# Altium PCB communicationboard.PcbDoc (continued)
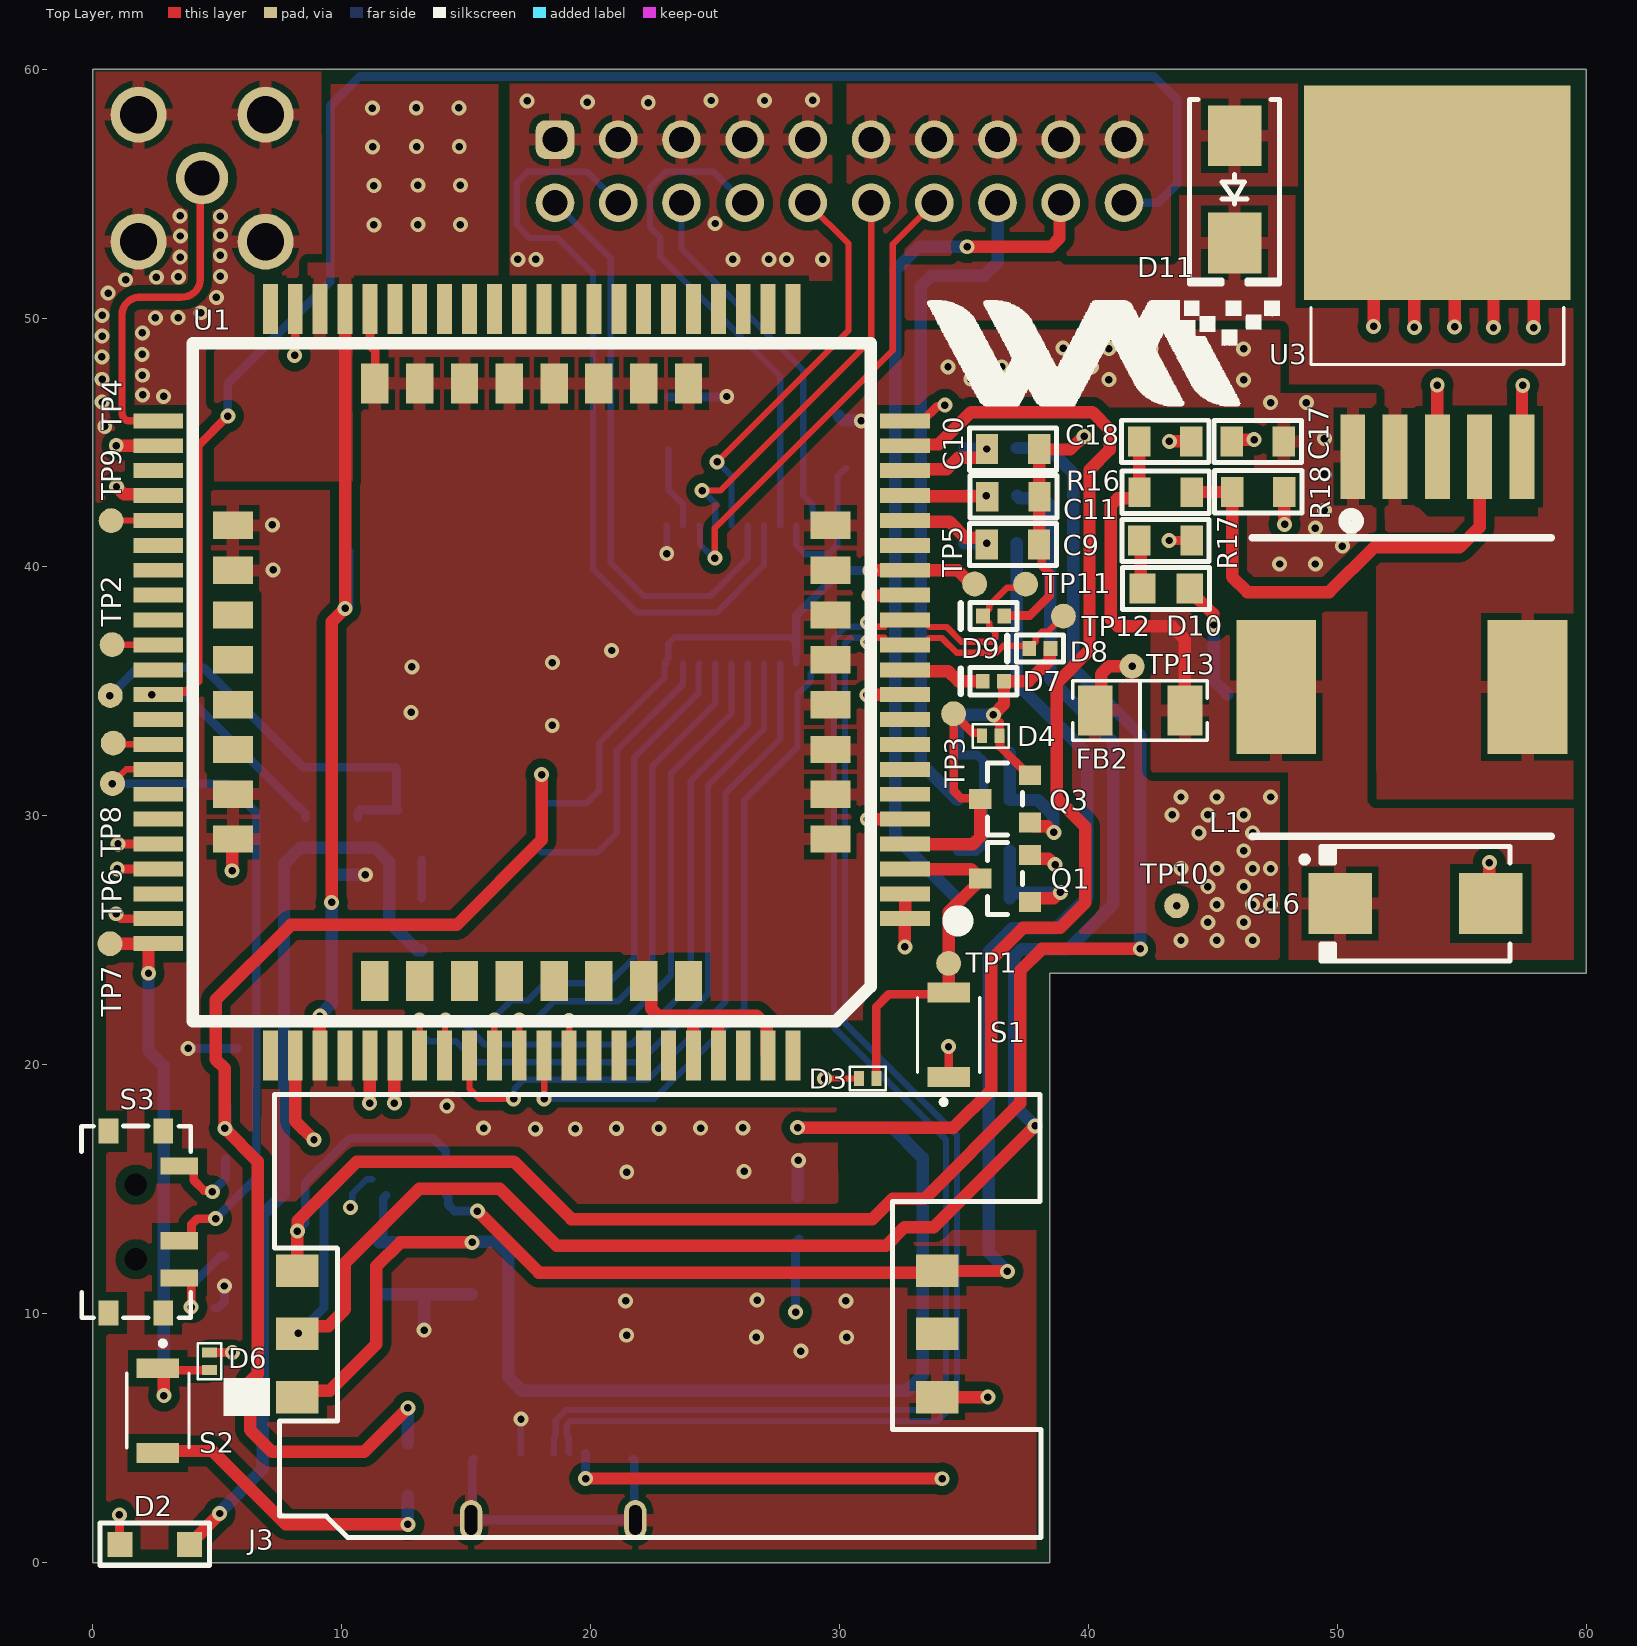
[diagram p0: Top Layer view]
## Nets (pads, with @x,y where several pads share a name; then routed paths per layer and width w, separated by ;. In a path a pad name is that pad's centre, name@x,y a point inside that pad or via, vN(x,y) a via of type N, cw(c..) or ccw(c..) an arc to the next point about the centre after c; other vN are vias at no path point) (continued)
  Bottom Layer w0.254: v1(10.355,14.27) 10.421,14.336 10.421,14.816 11.008,15.403 11.235,15.403 ; J1.5 17.2,5.765 v1(17.205,5.77) ; v1(23.06,40.54) 23.065,40.545 U2.11
  Bottom Layer w0.35: v1(3.835,20.66) 3.84,20.655 5.8,20.655 D5.1 ; R11.1@4.91,10.245 5.042,10.245 5.292,10.495 v1(5.292,11.114) ; J1.S@15.3,4.165 15.25,4.115 15.25,1.765 15.2,1.715 17.3,1.715 19.7,1.715 21.8,1.715 21.75,1.765 21.75,4.115 J1.S@21.7,4.165 ; R4.1 25.45,46.83 v1(25.47,46.85) ; R3.2 34.76,28.57 35.49,28.57 35.79,28.87 35.79,32.195 35.535,32.45 34.84,32.45 R9.2
  Bottom Layer w0.5: C8.1 9.597,27.632 10.948,27.632 v1(10.95,27.635) ; C12.1 C13.1 ; v1(13.31,9.34) 13.32,9.35 13.32,10.77 C13.1 ; C14.1 C13.1 ; C5.1 30.146,45.889 30.856,45.889 v1(30.875,45.87) ; R9.2 34.745,33.709 35.097,34.061 v1(36.184,34.061) ; v1(45.035,37.67) 45.035,35.445 C15.2
  other v1: 28.45,8.495 30.285,9.055 26.66,9.06 21.445,9.135 21.405,10.52 30.26,10.52 26.695,10.545 43.545,26.39 18.46,33.64 12.79,34.16 12.82,35.985 18.47,36.155 20.845,36.645 7.245,39.885 7.22,41.695 0.483,45.649 0.379,46.622 2.844,46.851 2.008,46.914 0.377,47.542 1.992,47.702 0.371,48.437 1.987,48.543 0.377,49.278 1.998,49.405 2.515,50.006 3.429,50.016 0.377,50.107 4.344,50.213 4.967,50.83 0.618,50.999 1.32,51.54 2.557,51.641 3.44,51.658 5.126,51.671 3.512,52.446 5.123,52.518 3.518,53.298 5.126,53.327 5.126,54.083 3.512,54.104
LTE_PWR: J4.18 R1.2 | length 34.8
  Top Layer w0.5: v1(35.125,52.865) 38.49,52.865 38.84,53.215 38.84,54.58 J4.18
  Bottom Layer w0.5: R1.2@34.705,26.695 32.245,29.155 32.245,51.93 33.18,52.865 35.088,52.865 v1(35.125,52.865)
LTE_RESET: J4.16 R8.2 | length 27.1
  Bottom Layer w0.5: R8.2 33.26,32.125 33.26,51.265 33.695,51.7 35.815,51.7 36.35,52.235 J4.16
MAIN_ANT: J2.1 U1.82 | length 13.6
  Top Layer w0.293: U1.82 U1.82 1.465,45.87 cw(c1.465,46.14) 1.274,45.949 cw(c1.508,46.183) 1.177,46.183 1.177,50.131 cw(c1.882,50.131) 1.818,50.833 3.549,50.833 ccw(c3.549,51.639) 4.119,51.069 ccw(c3.636,51.552) 4.319,51.552 4.319,55.445 cw(c4.568,55.445) J2.1
NetC1_2: C1.2 C2.1 C3.1 C6.1 C7.1 C8.2 FB1.1 U1.38 U1.39 U1.62 U1.63 | length 34.2
  Top Layer w0.5: v1(9.125,21.96) 9.125,20.38 U1.62 ; v1(9.6,26.53) 9.6,37.799 v1(10.141,38.34) 10.138,38.343 10.138,50.367 U1.38
  Bottom Layer w0.5: v1(9.125,21.96) 9.125,21.987 9.595,22.457 C8.2 9.598,25.533 9.598,26.528 v1(9.6,26.53) ; v1(10.141,38.34) 10.141,38.367 10.235,38.461 C6.1 ; FB1.1 28.326,14.721 28.326,16.146 v1(28.345,16.165)
  other v1: 21.453,15.693 26.17,15.72 17.78,17.43 19.385,17.43 15.705,17.46 21.04,17.445 22.745,17.445 24.42,17.46 26.12,17.465 14.23,18.345 11.295,53.745 13.06,53.755 14.773,53.756 11.295,55.325 13.06,55.335 14.773,55.336 11.247,56.879 13.012,56.889 14.725,56.89 11.233,58.431 12.998,58.441 14.711,58.442
NetC16_1: C16.1 C18.2 FB2.1 L1.2 R16.2 | length 14.2
  Top Layer w0.5: C18.2 42.045,45.035 42.045,42.951 41.855,42.761 41.188,42.761 40.895,42.469 40.895,37.908 41.188,37.615 43.348,37.615 43.875,37.088 FB2.1
NetD2_2: D2.2 R2.1 | length 37.8
  Top Layer w0.5: D2.2 5.079,1.927 5.079,1.956 v1(5.098,1.975)
  Bottom Layer w0.5: v1@5.048,1.975 6.825,3.752 6.825,13.965 7.685,14.825 7.685,28.07 8.335,28.72 11.335,28.72 11.92,28.135 11.92,25.72 13.045,24.595 R2.1
NetD10_1: D10.1 R17.1 | length 2
  Top Layer w0.5: R17.1 42.11,41.005 42.11,39.195 D10.1
NetD11_2: D11.2 L1.1 U3.2
NETLIGHT: J4.20 R6.2 U1.51 | length 76.7
  Top Layer w0.35: U1.51 2.505,34.87 v1(2.38,34.87) 2.505,34.995 3.802,34.995 4.229,35.422 4.229,44.862 v2(5.43,46.064)
  Bottom Layer w0.35: v1(2.38,34.87) 3.72,34.87 8.228,30.362 8.272,30.362 8.547,30.087 R6.2 ; v2(5.43,46.064) 5.43,47.356 9.547,51.473 9.547,58.525 10.729,59.707 42.629,59.707 43.568,58.768 43.568,55.4 42.798,54.63 J4.20
NetQ1_1: Q1.1 R1.1 R3.1 | length 5.4
  Top Layer w0.5: Q1.1 37.805,26.685 38.606,26.685 38.851,26.93 v1(38.878,26.93)
  Bottom Layer w0.5: R3.1 36.835,28.595 36.835,26.7 R1.1 37.03,26.885 37.03,26.901 37.04,26.911 38.859,26.911 v1(38.878,26.93)
NetQ2_1: Q2.1 R6.1 R7.1 TP2.1 | length 17.2
  Top Layer w0.35: v1(0.69,34.83) 0.695,34.83 TP2.1
  Bottom Layer w0.35: v1(0.69,34.83) 1.81,35.95 4.46,35.95 8.455,31.955 R7.1 12.205,31.895 12.205,30.295 Q2.1 10.735,30.235 10.647,30.147 R6.1
NetQ2_3: Q2.3 R2.2 | length 1.5
  Bottom Layer w0.35: R2.2 13.215,26.715 Q2.3
NetQ3_1: Q3.1 R8.1 R9.1 | length 5.7
  Top Layer w0.5: Q3.1 37.805,29.585 38.342,29.585 38.589,29.338 v1(38.616,29.338)
  Bottom Layer w0.5: R9.1 R8.1 37.98,30.64 38.597,30.023 38.597,29.357 v1(38.616,29.338)
NetR4_2: R4.2 U2.12 | length 3.3
  Bottom Layer w0.254: R4.2 23.13,43.105 23.715,42.52 U2.12
NetR5_2: R5.2 U2.9 | length 11.3
  Bottom Layer w0.254: R5.2 20.29,28.545 21.055,29.31 21.055,32.64 23.715,35.3 U2.9
NetR10_1: R10.1 S3.1 | length 3.5
  Top Layer w0.35: S3.1 3.878,15.935 4.053,15.76 4.053,15.364 4.469,14.948 4.755,14.948 v2(4.803,14.9)
  Bottom Layer w0.35: v2(4.803,14.9) 5.33,15.427 R10.1
NetR11_2: R11.2 S3.3 | length 4.2
  Top Layer w0.35: S3.3 3.778,11.435 3.953,11.26 v2(3.953,10.268)
  Bottom Layer w0.35: v2(3.953,10.268) 3.953,11.133 5.14,12.32 R11.2
NetR12_1: R12.1 S2.2 | length 12.4
  Top Layer w0.5: S2.2@2.615,4.485 4.812,4.485 7.758,1.539 v1(12.66,1.539)
  Bottom Layer w0.5: v1(12.66,1.539) R12.1
NetR16_1: R16.1 R18.2 U3.4 | length 19.2
  Top Layer w0.5: R16.1 44.162,43.012 45.768,43.012 R18.2 45.775,39.605 46.39,38.99 49.675,38.99 51.475,40.79 54.905,40.79 55.72,41.605 U3.4
STATUS: TP9.1 U1.49 | length 1.9
  Top Layer w0.254: TP9.1 0.785,36.875 2.63,36.875 U1.49
USB_BOOT: D6.2 S2.1 TP7.1 U1.85 | length 23.1
  Top Layer w0.35: S2.1@2.867,7.735 D6.2@4.58,7.735
  Top Layer w0.5: TP7.1 0.697,24.867 U1.85@2.288,24.867 ; v1(2.24,23.68) 2.24,24.82 U1.85@2.288,24.867 ; U1.85 2.632,24.867 U1.85@2.288,24.867 ; v2(2.856,6.711) 2.856,7.724 S2.1@2.867,7.735
  Bottom Layer w0.5: v1(2.24,23.68) 2.24,20.565 2.848,19.957 2.848,6.719 v2(2.856,6.711)
USB_VBUS: D7.1 U1.11 | length 3.3
  Top Layer w0.5: U1.11 32.685,35.82 34.365,35.82 34.775,35.41 D7.1
USBD_N: D8.1 J1.2 TP12.1 U1.12 | length 60
  Top Layer w0.254: v1(31.125,36.987) 31.125,37.16 31.806,37.16 31.806,37.043 31.979,36.87 U1.12 33.335,36.87 33.613,37.148 34.116,37.148 34.711,36.553 36.3,36.553 36.579,36.832 37.518,36.832 D8.1 37.625,36.75 37.883,37.008 37.883,37.156 38.128,37.402 38.372,37.402 TP12.1
  Bottom Layer w0.254: J1.2 19.122,4.418 19.122,5.065 19.047,5.14 19.047,5.531 19.207,5.691 33.924,5.691 34.723,6.49 34.723,17.171 30.223,21.671 30.223,36.939 30.444,37.16 30.859,37.16 31.031,36.987 v1(31.125,36.987)
USBD_P: D9.1 J1.3 TP11.1 U1.13 | length 60.7
  Top Layer w0.254: v1(31.125,37.777) 31.125,37.604 31.806,37.604 31.806,37.697 31.979,37.87 U1.13 33.335,37.87 33.613,37.592 34.3,37.592 34.895,36.998 36.115,36.998 36.264,37.146 36.264,37.357 36.023,37.599 36.023,37.747 35.765,38.005 D9.1 35.765,38.055 36.023,38.313 36.023,38.461 36.729,39.167 37.337,39.167 TP11.1
  Bottom Layer w0.254: J1.3 18.528,4.418 18.528,5.065 18.603,5.14 18.603,5.715 19.023,6.136 33.74,6.136 34.278,6.674 34.278,16.987 29.778,21.487 29.778,37.123 30.259,37.604 30.859,37.604 31.031,37.777 v1(31.125,37.777)
USIM_CLK: C10.1 R14.1 U1.19 | length 4.2
  Top Layer w0.35: v1(35.92,44.74) C10.1
  Top Layer w0.5: U1.19 32.685,43.92 34.305,43.92 34.77,44.385 C10.1@35.725,44.385
  Bottom Layer w0.5: R14.1 35.051,44.759 35.901,44.759 v1(35.92,44.74)
USIM_DATA: C9.2 R15.1 U1.17 | length 4.3
  Top Layer w0.5: U1.17 32.685,41.82 34.42,41.82 35.07,41.17 C9.2@35.715,41.17
  Bottom Layer w0.5: R15.1 35.025,40.955 v1(35.915,40.955)
USIM_DET: TP8.1 U1.53 | length 1.8
  Top Layer w0.254: TP8.1 0.875,32.875 2.63,32.875 U1.53
USIM_RST: C11.2 R13.1 U1.18 | length 4.1
  Top Layer w0.5: U1.18 32.66,42.845 C11.2@35.905,42.845
  Bottom Layer w0.5: R13.1 35.05,42.855 v1(35.905,42.855)
VDD3.8: D1.2 D2.1 FB1.2 FB2.2 R17.2 TP13.1 | length 8
  Top Layer w0.35: v1(1.067,1.923) 1.078,1.912 1.078,0.748 D2.1 ; v1(43.24,41.065) R17.2
  Top Layer w0.5: FB2.2 40.51,34.47 40.51,35.692 40.833,36.015 v1(41.755,36.015)
  Bottom Layer w0.35: v1(28.235,10.065) D1.2 28.235,12.86 FB1.2@28.385,13.01
  other v1: 43.72,25 45.16,25 46.6,25 44.8,25.72 46.24,25.72 45.16,26.44 46.6,26.44 47.32,26.44 44.8,27.16 46.24,27.16 43.72,27.88 45.16,27.88 46.6,27.88 47.32,27.88 46.24,28.6 44.44,29.32 46.6,29.32 43.36,30.04 44.8,30.04 46.24,30.04 43.72,30.76 45.16,30.76 47.32,30.76
VDD3V3: C5.2 U2.19 | length 6
  Bottom Layer w0.254: U2.19 28.265,40.88 28.63,40.515 29.56,40.515 29.917,40.872 29.917,43.647 30.241,43.97 C5.2@30.275,43.97
VDD5.0: C15.1 C17.2 J1.1 J4.1 J4.3 J4.5 J4.7 J4.9 U3.1 | length 15.3
  Top Layer w0.5: v1(19.805,3.38) 34.11,3.38 v1(34.12,3.37)
  Bottom Layer w0.35: J1.1 19.8,3.385 v1(19.805,3.38)
  other v1: 47.68,40.12 49.12,40.12 50.2,40.84 49.12,41.56 50.56,41.56 49.48,42.28 49.48,43.72 49.48,45.16 47.32,46.6 48.76,46.6 40.82,47.525 46.235,47.515 35.275,47.55 38.988,47.549 42.525,47.54 44.36,47.54 34.36,48.04 36.52,48.04 37.96,48.04 40.12,48.04 40.82,48.77 46.235,48.76 35.275,48.795 37.11,48.801 38.985,48.793 42.525,48.785 44.36,48.785 17.08,52.36 17.8,52.36 25.72,52.36 27.16,52.36 27.88,52.36 29.32,52.36 25,53.8 22.318,58.659 19.869,58.676 17.453,58.724 24.847,58.741 26.988,58.741 28.917,58.757
VDD_1V8: C4.2 R10.2 R12.2 TP5.1 U1.15 U2.2 U2.10 | length 72.4
  Top Layer w0.5: v1(12.665,6.215) 10.9,4.45 7.21,4.45 6.325,5.335 6.325,7.285 6.625,7.585 6.625,16.125 v1(5.306,17.444) 5.306,19.855 4.94,20.221 4.94,22.605 7.96,25.625 14.625,25.625 18.035,29.035 v1(18.035,31.66) ; v1(31.225,39.855) 31.233,39.863 32.628,39.863 U1.15 34.745,39.87 35.295,39.32 TP5.1
  Bottom Layer w0.254: C4.2 19.835,30.505 20.35,31.02 20.35,32.94 22.967,35.557 22.967,36.022 U2.10 ; U2.10@22.967,36.18 23.12,36.333 23.12,36.915 23.385,37.18 28.015,37.18 28.089,37.106 28.265,36.93 ; U2.2 U2.2@28.265,36.525
  Bottom Layer w0.35: U2.2@28.265,36.525 28.265,36.93 28.265,38.055 30.065,39.855 v1(31.225,39.855)
  Bottom Layer w0.5: v1(5.306,17.444) 5.318,17.456 5.318,18.308 R10.2 ; R12.2 12.66,6.21 v1(12.665,6.215) ; C4.2 v1(18.035,31.66)
VDD_AUX: TP4.1 U1.44 | length 1.9
  Top Layer w0.254: TP4.1 0.745,41.865 2.63,41.865 U1.44
pads on no net: J1.4 J3.C6 S3.4 S3.5 S3.6 S3.7 S3.8 S3.9 U1.6 U1.7 U1.8 U1.9 U1.16 U1.21 U1.22 U1.23 U1.24 U1.25 U1.26 U1.27 U1.28 U1.29 U1.30 U1.31 U1.32 U1.33 U1.34 U1.35 U1.36 U1.42 U1.45 U1.46 U1.47 U1.48 U1.50 U1.52 U1.55 U1.56 U1.59 U1.73 U1.74 U1.75 U1.76 U1.79 U1.83 U1.84 U1.86 U1.87 U1.106 U1.107 U1.108 U1.109 U1.112 U1.113 U1.114 U1.115 U1.116 U1.117 U1.119

## Polygon pours and split planes (outlines as drawn)
GND on Top Layer "Top Layer-GND" (solid, remove dead copper, pour order 28): 0.54,0.545 37.905,0.545 37.905,13.35 6.456,13.35 6.45,21.785 31.25,21.785 31.255,48.955 31.245,48.965 9.208,48.955 9.186,59.888 0.126,59.888 0.125,37.636 3.94,37.634 3.94,24.101 0.537,24.101
VDD3.8 on Top Layer "VDD3.8_L01_P024" (solid, remove dead copper, pour order 24): 38.949,37.352 38.965,37.368 42.461,37.368 42.461,31.882 42.587,31.756 48.035,31.756 48.035,24.24 48.045,24.23 38.914,24.23
NetC1_2 on Top Layer "NETC1_2_L01_P011" (solid, remove dead copper, pour order 11): 10.645,18.945 14.53,18.945 15.2,18.275 16.24,18.275 29.939,18.275 29.945,12.25 13.225,12.25 13.225,13.925 12.625,14.525 6.771,14.525 6.798,21.6 10.641,21.6
NetC1_2 on Top Layer "NETC1_2_L01_P009" (solid, remove dead copper, pour order 9): 8.64,52.223 9.549,52.223 9.553,52.219 9.553,59.372 9.556,59.39 16.285,59.39 16.285,51.56 10.44,51.56 10.44,43.445 4.89,43.445 4.89,48.65 5.04,48.8 8.355,48.8 8.64,49.085
NetC16_1 on Top Layer "NETC16_1_L01_P008" (solid, remove dead copper, pour order 8): 42.497,31.756 48.035,31.756 48.045,24.23 59.495,24.23 59.495,30.515 51.21,30.515 51.21,38.2 42.501,38.2
NetD11_2 on Top Layer "Top Layer-NetD11_2" (solid, remove dead copper, pour order 7): 51.565,46.975 47.82,46.975 47.82,49.535 43.48,49.535 32.47,49.53 32.47,52.29 43.478,52.295 43.475,55.055 48.465,55.055 48.465,50.49 59.485,50.49 59.485,30.665 51.575,30.665 51.575,31.81 51.565,31.82
VDD5.0 on Top Layer "VDD5.0_L01_P003" (solid, remove dead copper, pour order 3): 47.715,49.54 47.715,46.975 51.556,46.975 51.56,38.67 45.36,38.67 45.36,42.235 48.52,42.242 48.52,43.815 46.66,43.815 46.66,46.42 31.545,46.42 31.545,49.559
GND on Top Layer "GND_L01_P001" (solid, remove dead copper, pour order 1): 30.3,55.3 30.3,52.51 30.29,52.5 43.3,52.5 43.3,55.3 48.465,55.3 48.47,50.62 59.36,50.62 59.36,59.415 30.3,59.415
VDD5.0 on Top Layer "VDD5.0_L01_P000" (solid, remove dead copper, pour order 0): 16.75,59.41 16.75,51.505 29.7,51.505 29.7,59.41
GND on Bottom Layer "GND_L04_P026" (solid, remove dead copper, pour order 26): 9.547,59.41 0.072,59.41 0.072,31.683 0.074,31.681 7.892,31.681 ccw(c7.892,31.719) 7.919,31.692 7.919,50.631 9.441,50.631 ccw(c9.189,50.883) 9.547,50.883
GND on Bottom Layer "GND_L04_P023" (solid, remove dead copper, pour order 23): 19.665,51.41 31.9,51.41 42.645,40.665 42.645,24.605 42.265,24.225 37.735,24.225 37.745,24.215 37.745,7.735 33.595,7.735 33.485,7.845 33.485,16.555 32.21,17.83 28.515,17.83 27.96,18.385 22.81,18.385 22.775,18.42 16.515,18.42 13.148,21.787 13.148,23.557 13.145,23.56 20.045,23.56 20.35,23.865 20.35,27.28 19.99,27.64 17.495,27.64 17.28,27.855 17.28,31.575 19.665,33.96
GND on Bottom Layer "GND_L04_P022" (solid, remove dead copper, pour order 22): 0.545,37.375 0.545,0.49 7.56,0.49 7.565,0.495 7.565,8.135 9.57,10.14 9.57,33.67 5.88,37.36
GND on Bottom Layer "GND_L04_P020" (solid, remove dead copper, pour order 20): 16.705,6.45 17.855,6.45 18.165,6.14 18.165,4.936 33.991,4.936 35.27,6.215 35.27,7.735 37.745,7.735 37.745,0.54 7.795,0.54 7.795,8.185 8.525,8.185 9.845,9.505 9.845,11.485 10.22,11.86 16.155,11.86 16.18,11.885 16.18,6.975
GND on Bottom Layer "GND_L04_P016" (solid, remove dead copper, pour order 16): 17.325,11.86 17.325,7.57 17.55,7.345 32.535,7.345 32.623,7.433 32.623,13.84 29.26,13.84 29.255,12.155 29.22,12.12 28.555,12.12 28.495,12.06 28.495,10.94 28.61,10.825 28.61,9.8 28.44,9.63 27.99,9.63 27.845,9.775 27.845,10.79 27.95,10.895 27.95,11.79 27.835,11.905
VDD5.0 on Bottom Layer "VDD5.0_L04_P002" (solid, remove dead copper, pour order 2): 39.12,46.43 33.26,46.43 33.26,51.475 15.97,51.475 15.97,59.415 59.49,59.415 59.49,38.838 39.12,38.838
VDD3.8 on Bottom Layer "VDD3.8_L04_P027" (solid, remove dead copper, pour order 27): 40.02,38.628 59.486,38.628 59.487,38.627 59.487,24.225 59.489,24.223 42.698,24.223 42.695,24.22 42.695,33.23 40.038,35.887
NetC1_2 on Bottom Layer "Bottom Layer-NetC1_2" (solid, remove dead copper, pour order 21): 8.047,37.605 19.485,37.605 19.485,51.092 15.955,51.102 15.955,59.41 9.547,59.41 9.547,50.45 8.047,50.454
GND on Bottom Layer "GND_L04_P013" (solid, remove dead copper, pour order 13): 14.555,24.01 14.74,23.825 19.945,23.825 20,23.88 20,27.215 19.815,27.4 17.265,27.4 17.03,27.635 17.03,31.845 17.16,31.975 19.46,31.975 21.74,34.255 21.74,37.525 4.945,37.525 4.945,36.48 8.57,32.855 13.24,32.855 13.24,29.64 14.555,28.325
NetC1_2 on Bottom Layer "NETC1_2_L04_P015" (solid, remove dead copper, pour order 15): 27.74,16.93 32.865,16.93 32.865,13.965 32.78,13.88 27.36,13.88 27.145,13.68 27.145,12.015 18.165,12.015 16.395,13.785 16.395,15.205 14.14,17.46 9.75,17.46 8.865,18.345 8.865,21.465 12.63,21.45 12.63,20.41 12.875,20.165 14.47,20.165 16.485,18.15 27.74,18.15
VDD3.8 on VDD (split plane): 15.893,52.68 15.902,52.582 15.931,52.488 15.977,52.401 16.04,52.325 16.116,52.262 16.203,52.216 16.297,52.187 16.395,52.178 31.083,52.178 31.083,43.785 31.092,43.687 31.121,43.593 31.167,43.506 31.23,43.43 31.245,43.415 31.321,43.352 31.408,43.306 31.502,43.277 31.6,43.268 45.858,43.268 45.858,28.402 31.65,28.402 31.552,28.393 31.458,28.364 31.371,28.318 31.295,28.255 31.275,28.235 31.212,28.159 31.166,28.072 31.137,27.978 31.128,27.88 31.128,0.515 11.325,0.515 11.324,0.515 11.275,0.511 11.274,0.51 0.51,0.51 0.51,46.175 0.51,59.49 15.893,59.49
VDD5.0 on VDD (split plane): 59.49,24.18 38.445,24.18 38.345,24.171 38.25,24.142 38.161,24.094 38.084,24.031 38.021,23.954 37.973,23.865 37.944,23.77 37.935,23.67 37.935,0.515 32.132,0.515 32.132,27.398 46.365,27.398 46.463,27.407 46.557,27.436 46.644,27.482 46.72,27.545 46.783,27.621 46.829,27.708 46.858,27.802 46.867,27.9 46.862,27.951 46.862,43.765 46.853,43.863 46.824,43.957 46.778,44.044 46.715,44.12 46.71,44.125 46.634,44.188 46.547,44.234 46.453,44.263 46.355,44.272 32.087,44.272 32.087,52.68 32.078,52.778 32.049,52.872 32.003,52.959 31.94,53.035 31.864,53.098 31.777,53.144 31.683,53.173 31.585,53.182 16.897,53.182 16.897,59.49 59.49,59.49
GND on GND (split plane): 59.49,24.18 38.445,24.18 38.345,24.171 38.25,24.142 38.161,24.094 38.084,24.031 38.021,23.954 37.973,23.865 37.944,23.77 37.935,23.67 37.935,0.515 11.325,0.515 11.324,0.515 11.275,0.511 11.274,0.51 0.51,0.51 0.51,46.175 0.51,59.49 59.49,59.49

## Other copper
Top Layer:
  pour cut-out: 53.2,42.45 53.64,42.01 58.075,42.01 58.075,46.495 53.48,46.495 53.2,46.215
VDD (plane layer: these items are gaps in the copper):
  lines w1: 16.395,59.975 16.395,52.68 31.585,52.68 31.585,43.785 31.6,43.77 46.355,43.77 46.36,43.765 46.36,27.905 46.365,27.9 31.65,27.9 31.63,27.88 31.63,0.095

## Silkscreen, mask and mechanical layers (free items; w line width, h text height)
Top Overlay:
  drawing of 7 lines, arcs and shapes, not listed
Bottom Overlay:
  drawing of 38 lines, arcs and shapes, not listed
  text "4G" at 11.397,46.909 h5
  text "LTE" at 5.585,46.851 h2.5
BoardOutline:
  lines w0.2: 11.3,0 0,0 0,46.175 0,60 60,60 60,48.495 60,40.17 60,23.67 38.445,23.67 38.445,0.005 11.325,0.005
Guard:
  circle w0.508: c11.585,44.515 r0.381
  circle w0.508: c11.63,19.94 r0.381
  circle w0.25: c16.4,3.795 r0.125
  circle w0.508: c48.515,27.985 r0.381
  circle w0.508: c11.63,28.74 r0.381
  region: 19,53 19,53.36 18.2,53.36 18.2,53
  lines w0.152: 9.877,15.42 9.877,13.94 -3.077,13.94 -3.077,22.473 9.877,22.473 9.877,20.88 ; 9.877,17.38 9.877,18.92 ; 9.877,24.22 9.877,22.74 -3.077,22.74 -3.077,31.273 9.877,31.273 9.877,29.68 ; 9.877,26.18 9.877,27.72 ; 9.877,33.02 9.877,31.427 -3.077,31.427 -3.077,47.073 9.877,47.073 9.877,45.48 ; 9.877,34.98 9.877,36.52 ; 9.877,38.48 9.877,40.02 ; 9.877,41.98 9.877,43.52 ; 25.17,9.877 23.577,9.877 23.577,-3.077 35.67,-3.077 35.67,9.877 34.13,9.877 ; 27.13,9.877 28.67,9.877 ; 30.63,9.877 32.17,9.877 ; 50.223,27.02 50.223,25.427 63.177,25.427 63.177,41.073 50.223,41.073 50.223,39.48 ; 50.223,28.98 50.223,30.52 ; 50.223,32.48 50.223,34.02 ; 50.223,35.98 50.223,37.52
  lines w0.2: 6.175,3.075 -3.1,3.075 -3.1,12.475 10.625,12.475 11.3,12.475 11.3,9.5 ; 9.125,3.075 11.3,3.075 11.3,6.6 ; 14.475,-0.075 14.475,-0.675 22.525,-0.675 22.525,-0.075 ; 14.475,1.475 14.475,3.075 15.575,3.075 ; 17.225,3.075 19.775,3.075 ; 21.425,3.075 22.525,3.075 22.525,1.475 ; 17.3,53.86 17.8,53.36 19.34,53.36 19.84,53.86 20.34,53.36 21.88,53.36 22.38,53.86 22.88,53.36 24.42,53.36 24.92,53.86 25.42,53.36 26.96,53.36 27.46,53.86 27.96,53.36 29.5,53.36 30,53.86 30.5,53.36 32.04,53.36 32.54,53.86 33.04,53.36 34.58,53.36 35.08,53.86 35.58,53.36 37.12,53.36 37.62,53.86 38.12,53.36 39.66,53.36 40.16,53.86 40.66,53.36 42.2,53.36 42.7,53.86 42.7,57.94 42.2,58.44 40.66,58.44 40.16,57.94 39.66,58.44 38.12,58.44 37.62,57.94 37.12,58.44 35.58,58.44 35.08,57.94 34.58,58.44 33.04,58.44 32.54,57.94 32.04,58.44 30.5,58.44 30,57.94 29.5,58.44 27.96,58.44 27.46,57.94 26.96,58.44 25.42,58.44 24.92,57.94 24.42,58.44 22.88,58.44 22.38,57.94 21.88,58.44 20.34,58.44 19.84,57.94 19.34,58.44 17.8,58.44 17.3,57.94 17.3,53.86
  lines w0.4: 45.4,-3.025 cw(c47.94,-3.025) 50.48,-3.025 ; 36.13,-3.025 36.13,25.194 59.76,25.194 59.76,-3.025 48.575,-3.025 36.13,-3.025
  lines w1: 35.36,19.23 cw(c35.292,19.258) 35.362,19.28